# Altium PCB BRG_Chip_Tester.PcbDoc (part 1 of 2)
Units mil, origin at the board's own origin, x right, y up, seen from the top; angles counter-clockwise.
Board outline 4440 x 3080 mil, 4 copper layers (TOP, GND, PWR, BOT), stack 62.731 mil thick; 127 components, 119 nets, 570 pads, 385 vias.
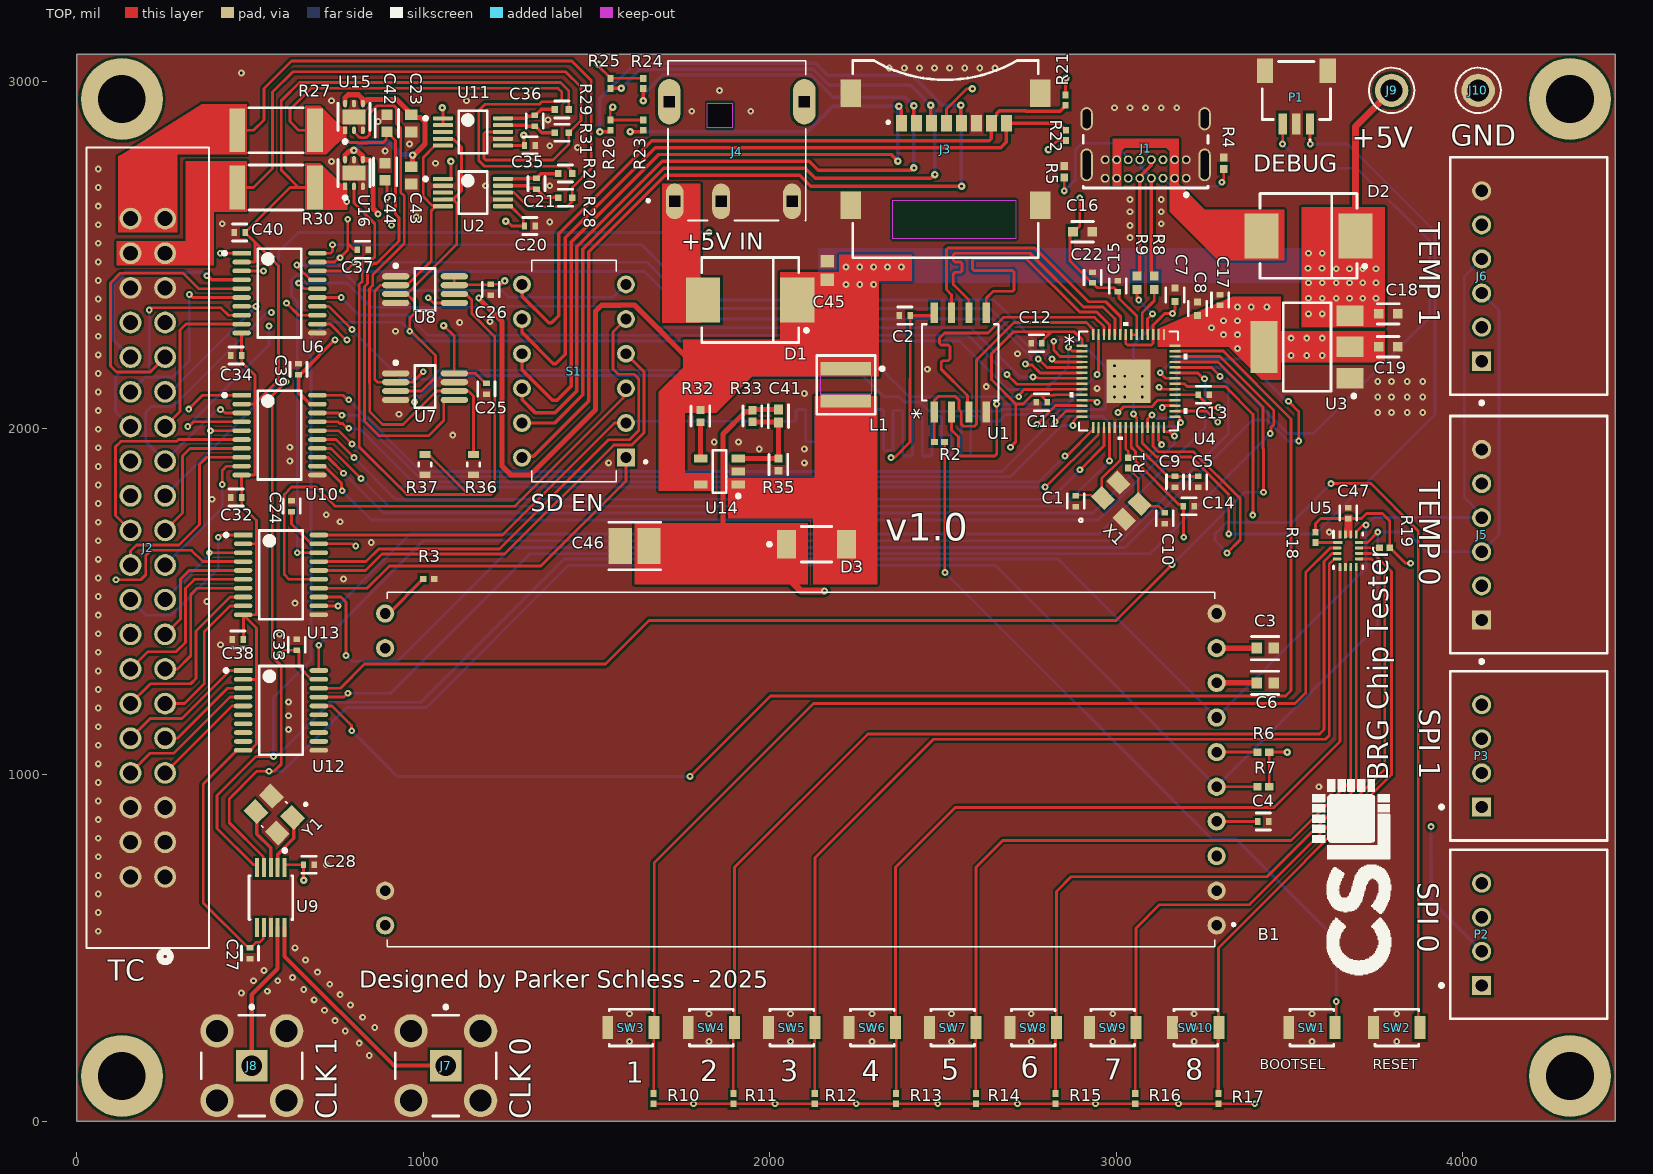
[diagram p0: TOP view]
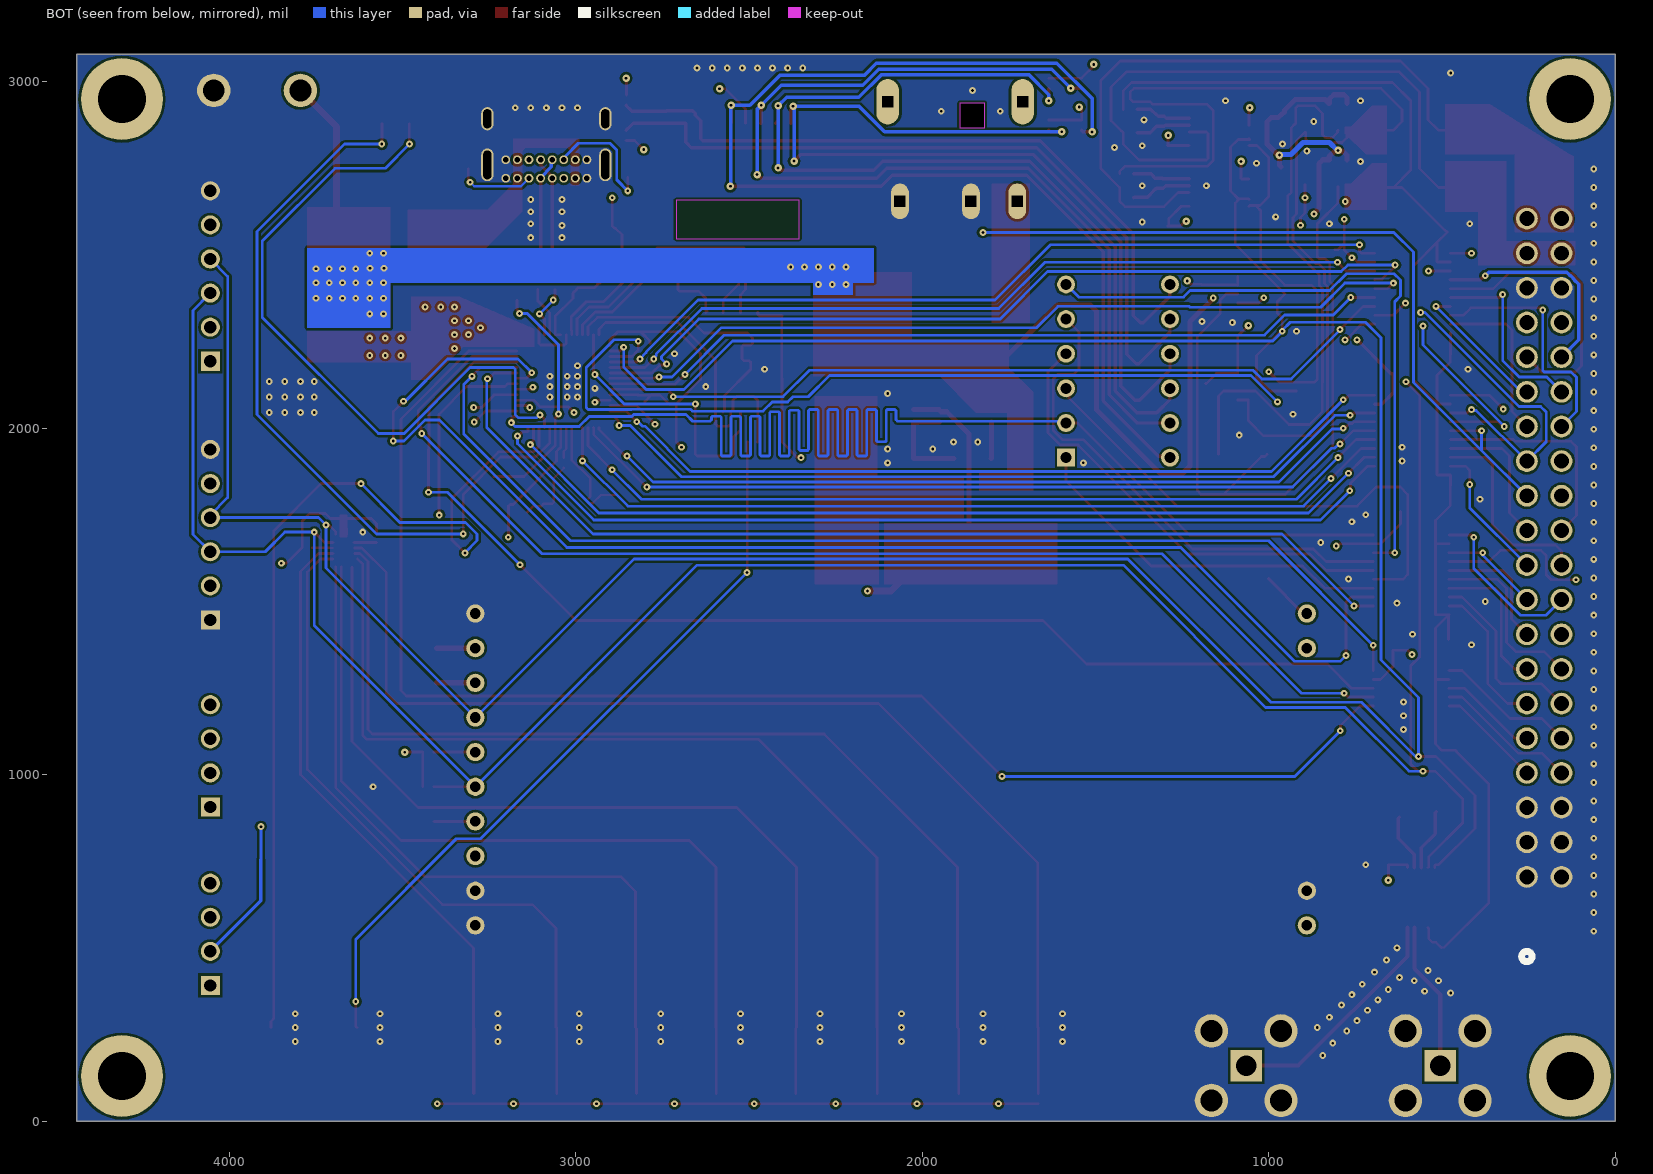
[diagram p1: BOT view, seen from below]
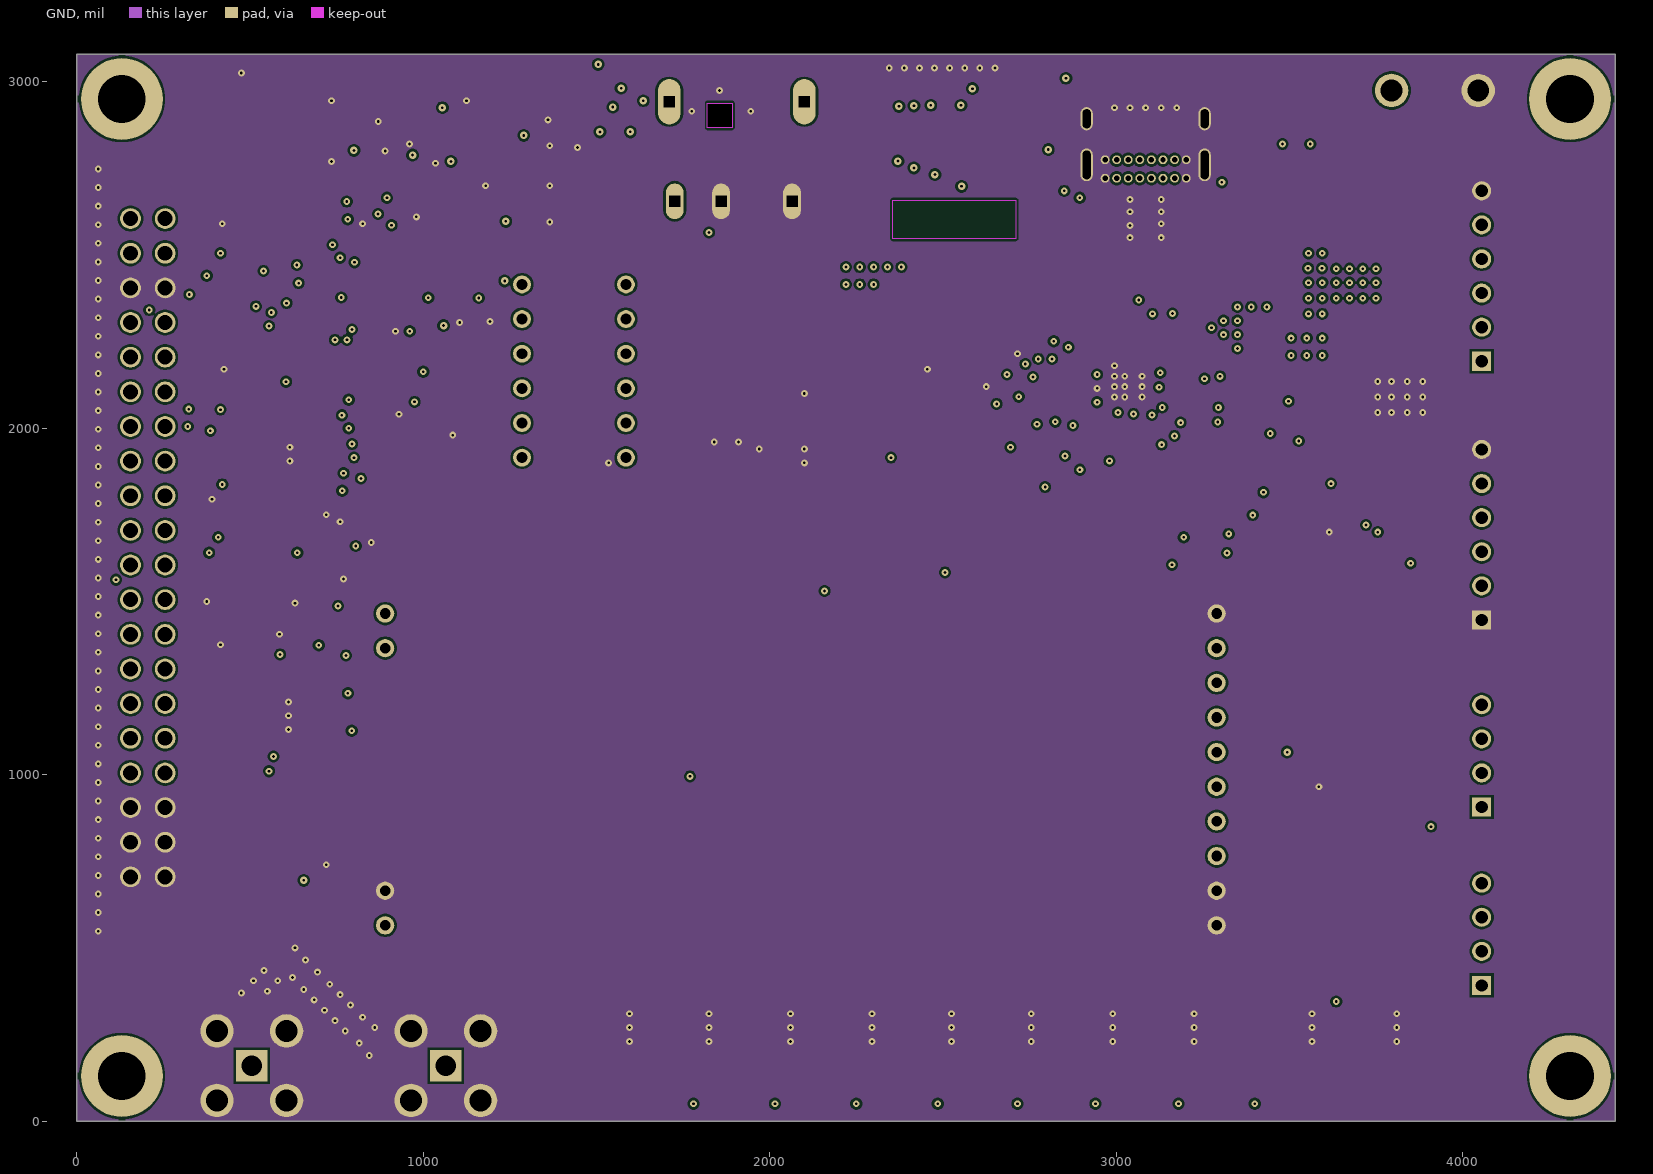
[diagram p2: GND]
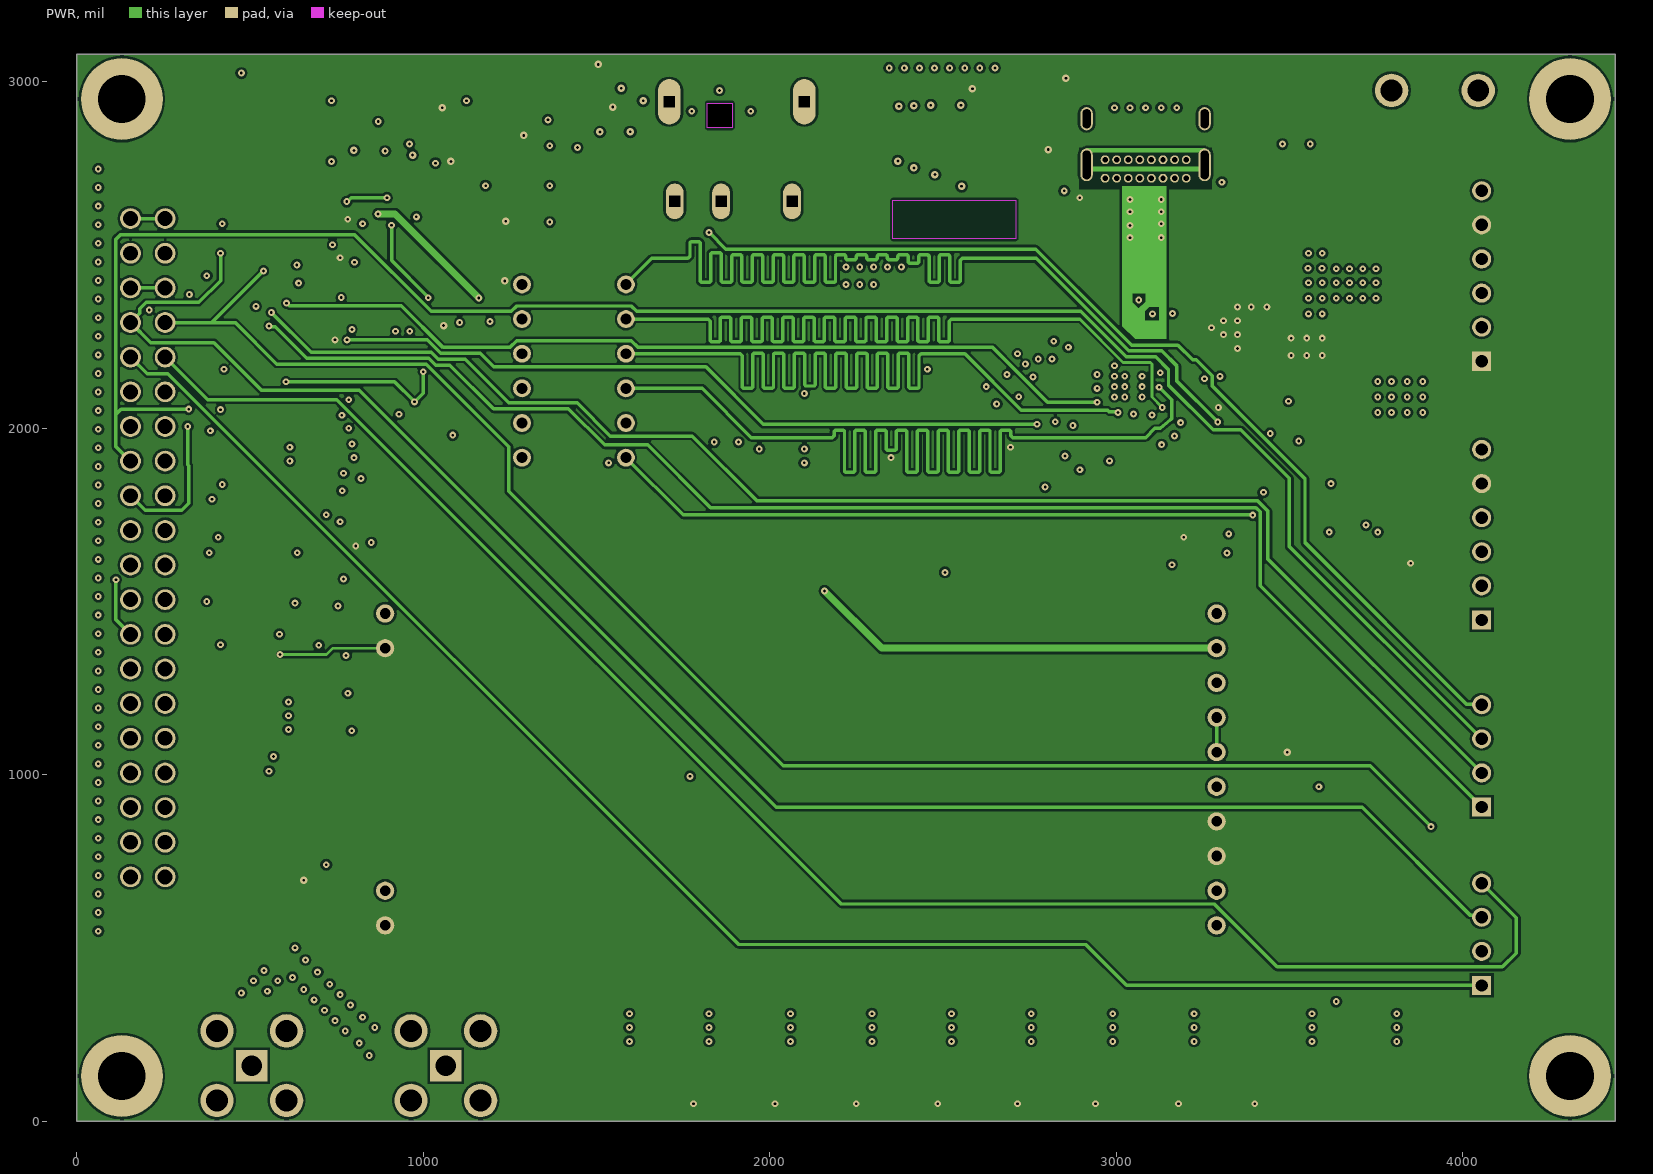
[diagram p3: PWR]
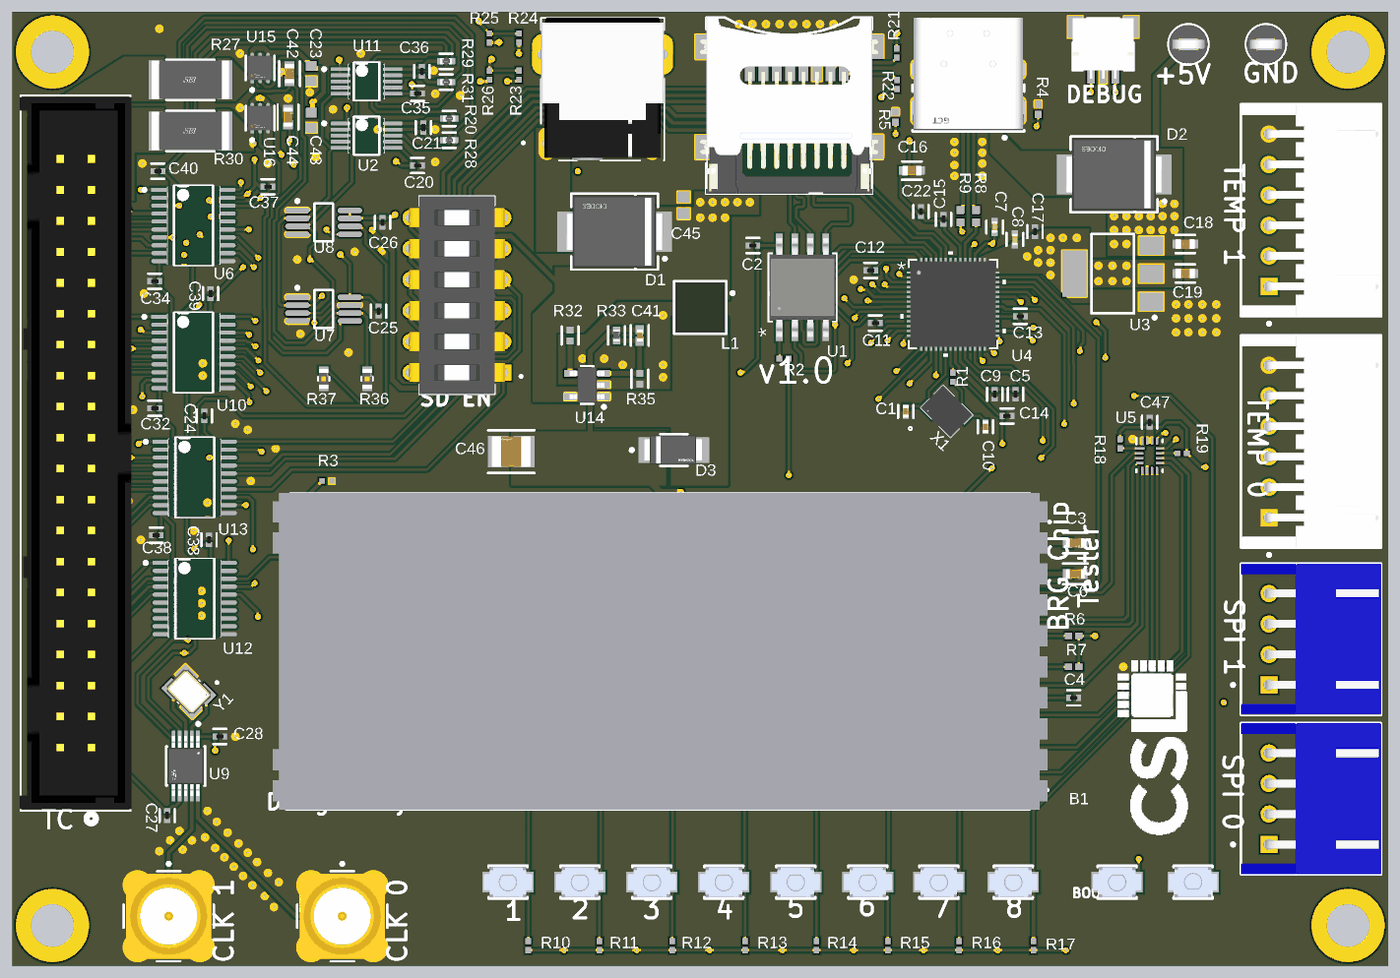
[diagram p5: 3D render of the assembled board from above, using the file's embedded part models]

## Layer stack, top to bottom
Top Solder: solder mask 0.3941, Solder Resist, Dk 3.3
TOP: signal copper 1.378
Dielectric 2: prepreg 4.2, PP-014, Dk 4.2
GND: signal copper 1.378
Dielectric 1: core 48.8189, FR-4, Dk 4
PWR: signal copper 1.378
Dielectric 3: prepreg 4.2, PP-014, Dk 4.2
BOT: signal copper 1.378
Bottom Solder: solder mask 0.3941, Solder Resist, Dk 3.3

## Board outline
0,0 0,3080 4440,3080 4440,0

## Design rules (kind name [scope] priority, off if disabled: settings)
Clearance [All] p1: gap=7 ignorepadtopadclearanceinfootprint=FALSE except(5: SMDPad-SMDPad SMDPad-THPad SMDPad-Via THPad-THPad THPad-Via)
DiffPairsRouting [All] p1: maxlimit=10 minlimit=5 mostfreqgap=10 toplayer_minwidth=5 toplayer_maxwidth=15 toplayer_prefwidth=15 midlayer1_minwidth=5 midlayer1_maxwidth=15 midlayer1_prefwidth=15 midlayer2_minwidth=5 midlayer2_maxwidth=15 midlayer2_prefwidth=15 bottomlayer_minwidth=5 bottomlayer_maxwidth=15 bottomlayer_prefwidth=15 maxuncoupledlength=500
HoleSize [All] p1: absolutevalues=TRUE maxlimit=200 minlimit=1 maxpercent=80.000 minpercent=20.000
PolygonConnect [All] p1: connectstyle=Direct reliefconductorwidth=10 reliefentries=4 polygonreliefangle="90 Angle" airgapwidth=5
RoutingVias [All] p1: holewidth=7.87 width=19.68 viastyle="Through Hole" minholewidth=7.87 minwidth=19.68 maxholewidth=15.75 maxwidth=31.5
ShortCircuit [InPadClass('All Pads') vs InNet('No Net')] p1: allowed=TRUE
SolderMaskExpansion [All] p1: expansion=4 istentingtop=FALSE
SupplyNets "Schematic Supply Nets_4" [InNet('+3V3')] p1: voltage=0.000
SupplyNets "Schematic Supply Nets_9" [InNet('GND')] p2: voltage=0.000
SupplyNets "Schematic Supply Nets_8" [InNet('+VCORE')] p3: voltage=0.000
SupplyNets "Schematic Supply Nets_7" [InNet('+12V')] p4: voltage=0.000
SupplyNets "Schematic Supply Nets_6" [InNet('+VCORE_RAW')] p5: voltage=0.000
SupplyNets "Schematic Supply Nets_3" [InNet('+1V1')] p6: voltage=0.000
SupplyNets "Schematic Supply Nets_2" [InNet('+VIO/CLK')] p7: voltage=0.000
SupplyNets "Schematic Supply Nets_1" [InNet('+5V')] p8: voltage=0.000
SupplyNets "Schematic Supply Nets" [InNet('+VIO/CLK_RAW')] p9: voltage=0.000
Width [All] p1: maxlimit=20 minlimit=5 preferedwidth=10 toplayer_prefwidth=8 bottomlayer_prefwidth=8 minimp=50.000000 maximp=50.000000 favimp=50.000000
27 further rules are at their usual default settings.

## Components (designator, comment, footprint, x,y, rotation, side; value= is the part's Value field where it differs from the comment)
B1 "EA_OLEDM204-GGA" EAOLEDM204GGA 890,1465 r180 top
C1 "GJM1555C1H150FB01D" FP-GJM155-0_05-MFG 2883.27,1789.29 r90 top
C2 "GRM155R71C104KA88D" FP-GRM15-MFG 2390,2325 r0 top
C3 "GRM188R6YA225KA12D" FP-GRM188-0_1-e0_2_0_5-IPC_C 3430,1365 r0 top
C4 "GRM155R71C104KA88D" FP-GRM15-MFG 3425,865 r0 top
C5 "GJM1555C1H150FB01D" FP-GJM155-0_05-MFG 3140,1740 r90 top
C6 "GRM188R6YA225KA12D" FP-GRM188-0_1-e0_2_0_5-IPC_C 3430,1265 r0 top
C7 "CC0402MRX5R6BB105" FP-CC0402-MFG 3170.02,2385 r90 top value="1 uF"
C8 "CC0402MRX5R6BB105" FP-CC0402-MFG 3235,2345 r270 top value="1 uF"
C9 "GRM155R71C104KA88D" FP-GRM15-MFG 3237.1,1845 r90 top
C10 "GRM155R71C104KA88D" FP-GRM15-MFG 3170,1845 r90 top
C11 "GRM155R71C104KA88D" FP-GRM15-MFG 2785,2075 r0 top
C12 "GRM155R71C104KA88D" FP-GRM15-MFG 2770,2245 r0 top
C13 "GRM155R71C104KA88D" FP-GRM15-MFG 3252.62,2096.63 r180 top
C14 "GRM155R71C104KA88D" FP-GRM15-MFG 3210,1774.95 r180 top
C15 "GRM155R71C104KA88D" FP-GRM15-MFG 3004.65,2410 r270 top
C16 "GRM155R71C104KA88D" FP-GRM15-MFG 2932,2435 r270 top
C17 "GRM155R71C104KA88D" FP-GRM15-MFG 3300,2370 r270 top
C18 "C1608X5R1A106K080AC" FP-C1608-080-0_1-MFG 3785,2330 r0 top
C19 "C1608X5R1A106K080AC" FP-C1608-080-0_1-MFG 3785,2235 r0 top
C20 "GRM155R71C104KA88D" FP-GRM15-MFG 1307.92,2583.49 r0 top
C21 "GRM155R71C104KA88D" FP-GRM15-MFG 1326.84,2705.87 r270 top
C22 "C1608X5R1A106K080AC" FP-C1608-080-0_1-MFG 2902.93,2567.19 r180 top
C23 "C0603C105K3RACTU" CAPC1608X87X35LL15T15 965,2880 r90 top
C24 "GRM155R71C104KA88D" FP-GRM15-MFG 620,1775 r90 top
C25 "GRM155R71C104KA88D" FP-GRM15-MFG 1182.13,2113.61 r270 top
C26 "GRM155R71C104KA88D" FP-GRM15-MFG 1195,2400 r270 top
C27 "GRM155R71C104KA88D" FP-GRM15-MFG 500,485 r270 top
C28 "GRM155R71C104KA88D" FP-GRM15-MFG 670,740 r0 top
C32 "GRM155R71C104KA88D" FP-GRM15-MFG 460,1800 r180 top
C33 "GRM155R71C104KA88D" FP-GRM15-MFG 635,1375 r90 top
C34 "GRM155R71C104KA88D" FP-GRM15-MFG 460,2210 r180 top
C35 "GRM155R71C104KA88D" FP-GRM15-MFG 1307.92,2816.41 r0 top
C36 "GRM155R71C104KA88D" FP-GRM15-MFG 1321.84,2887.33 r270 top
C37 "GRM155R71C104KA88D" FP-GRM15-MFG 825,2515 r0 top
C38 "GRM155R71C104KA88D" FP-GRM15-MFG 465,1390 r180 top
C39 "GRM155R71C104KA88D" FP-GRM15-MFG 640,2170 r90 top
C40 "GRM155R71C104KA88D" FP-GRM15-MFG 470,2565 r180 top
C41 "GRM1555C1H561JA01J" FP-GRM155-0_05-IPC_A 2025,2035 r90 top
C42 "GRM188R6YA225KA12D" FP-GRM188-0_1-e0_2_0_5-IPC_C 895,2880 r90 top
C43 "C0603C105K3RACTU" CAPC1608X87X35LL15T15 965,2730 r90 top
C44 "GRM188R6YA225KA12D" FP-GRM188-0_1-e0_2_0_5-IPC_C 890,2740 r90 top
C45 "C0603C475K8PACTU" CAPC1608X87X35NL15T15 2166.48,2455 r270 top
C46 "GRM32ER61C476KE15L" FP-GRM32E-0_3-0_2-IPC_C 1610,1660 r180 top
C47 "GRM155R71C104KA88D" FP-GRM15-MFG 3670,1755 r90 top
D1 "B540C-13-F" FP-SMC-MFG 1943.55,2370 r180 top value=300pF
D2 "B540C-13-F" FP-SMC-MFG 3555,2555 r180 top value=300pF
D3 "CMS06(TE12L,Q,M)" FP-M-FLAT-MFG 2135,1665 r180 top
J1 "USB4085-GF-A" FP-USB4085-GF-A-MFG 3085,2880 r180 top
J2 "3020-40-0100-00" CONN_3020-40-0100-00_CNC 255,705 r90 top
J3 "MEM2067-02-180-00-A_REVB" GCT_MEM2067-02-180-00-A_REVB 2507.13,2776.65 r180 top
J4 "54-00127" TENSILITY_54-00127 1905,2942.21 r180 top
J5 "S6B-XH-A (LF)(SN)" FP-S6B-XH-A_LF_SN-MFG 4190.83,1692.64 r270 top
J6 "S6B-XH-A (LF)(SN)" FP-S6B-XH-A_LF_SN-MFG 4190.83,2439.21 r270 top
J7 "RF2-04A-T-00-50-G" FP-RF2-04A-T-00-50-G-MFG 1065,160 r270 top
J8 "RF2-04A-T-00-50-G" FP-RF2-04A-T-00-50-G-MFG 505,160 r270 top
J9 "5006" FP-5006-MFG 3795,2975 r0 top
J10 "5006" FP-5006-MFG 4045,2975 r0 top
L1 "784383560056" WE-MAIA_4020 2220,2125 r270 top
P1 "SM03B-SRSS-TB(LF)(SN)" JST-SM03B-SRSS-TB_V 3520,2975 r180 top
P2 "S4B-XH-A (LF)(SN)" JST-S4B-XH-A(LF)(SN)_V 4055,539.21 r90 top
P3 "S4B-XH-A (LF)(SN)" JST-S4B-XH-A(LF)(SN)_V 4055,1054.21 r90 top
R1 "RC0402FR-131KL" RESC1005X40X25LL05T10 3035,1900 r90 top
R2 "RC0402FR-131KL" RESC1005X40X25LL05T10 2490,1960 r180 top
R3 "CRCW0402910KFKED" RESC1005X40X25LL05T05 1015.75,1565 r180 top
R4 "RC0402FR-075K1L" RESC1005X40X25NL05T10 3310,2765 r270 top
R5 "RC0402FR-075K1L" RESC1005X40X25NL05T10 2850,2740 r270 top
R6 "RC0402FR-072K2L" RESC1005X40X25NL05T10 3425,1065 r0 top
R7 "RC0402FR-072K2L" RESC1005X40X25NL05T10 3425,965 r0 top
R8 "ERJ-2RKF27R4X" RESC1005X40X25ML05T05 3110,2420 r90 top
R9 "ERJ-2RKF27R4X" RESC1005X40X25ML05T05 3060,2420 r90 top
R10 "RC0402FR-0710KL" RESC1005X40X25LL05T10 1665,65 r270 top
R11 "RC0402FR-0710KL" RESC1005X40X25LL05T10 1895,65 r270 top
R12 "RC0402FR-0710KL" RESC1005X40X25LL05T10 2130,65 r270 top
R13 "RC0402FR-0710KL" RESC1005X40X25LL05T10 2365,65 r270 top
R14 "RC0402FR-0710KL" RESC1005X40X25LL05T10 2595,65 r270 top
R15 "RC0402FR-0710KL" RESC1005X40X25LL05T10 2825,65 r270 top
R16 "RC0402FR-0710KL" RESC1005X40X25LL05T10 3055,65 r270 top
R17 "RC0402FR-0710KL" RESC1005X40X25LL05T10 3295,65 r270 top
R18 "RC0402FR-0710KL" RESC1005X40X25LL05T10 3575,1685 r270 top
R19 "RC0402FR-0710KL" RESC1005X40X25LL05T10 3775,1655 r0 top
R20 "ERJ-2RKF10R0X" FP-ERJ2RK-MFG 1410,2735 r180 top value=10Ω
R21 "RC0402FR-0710KL" RESC1005X40X25LL05T10 2854,2947 r90 top
R22 "RC0402FR-0710KL" RESC1005X40X25LL05T10 2855,2845 r270 top
R23 "RC0402FR-0710KL" RESC1005X40X25LL05T10 1635,2875 r90 top
R24 "RC0402FR-0710KL" RESC1005X40X25LL05T10 1635,2995 r90 top
R25 "RC0402FR-0710KL" RESC1005X40X25LL05T10 1540,2995 r90 top
R26 "RC0402FR-0710KL" RESC1005X40X25LL05T10 1540,2875 r90 top
R27 "CSRN2512FT40L0" FP-CSRN2512-IPC_C 575,2860 r0 top
R28 "ERJ-2RKF10R0X" FP-ERJ2RK-MFG 1410,2665 r180 top value=10Ω
R29 "ERJ-2RKF10R0X" FP-ERJ2RK-MFG 1400,2920 r180 top value=10Ω
R30 "CSRN2512FT40L0" FP-CSRN2512-IPC_C 575,2695 r0 top
R31 "ERJ-2RKF10R0X" FP-ERJ2RK-MFG 1400,2852.9 r180 top value=10Ω
R32 "CRCW040210K0FKED" FP-CRCW0402-e3-IPC_B 1800,2035 r90 top
R33 "AC0402FR-0786K6L" FP-AC0402-IPC_B 1950,2035 r90 top
R35 "CRCW040210K0FKED" FP-CRCW0402-e3-IPC_B 2025,1895 r90 top
R36 "KTR03EZPF3001" FP-KTR03-MFG 1145,1895 r90 top
R37 "KTR03EZPF3001" FP-KTR03-MFG 1005,1895 r90 top
S1 "DS04-254-1L-06BK" SW_DS04-254-1L-06BK 1435,2165 r180 top
SW1 "B3U-1000P" FP-B3U-1000P-MFG 3565,270 r0 top
SW2 "B3U-1000P" FP-B3U-1000P-MFG 3810,270 r180 top
SW3 "B3U-1000P" FP-B3U-1000P-MFG 1599.44,270 r0 top
SW4 "B3U-1000P" FP-B3U-1000P-MFG 1831.67,270 r0 top
SW5 "B3U-1000P" FP-B3U-1000P-MFG 2063.89,270 r0 top
SW6 "B3U-1000P" FP-B3U-1000P-MFG 2296.11,270 r0 top
SW7 "B3U-1000P" FP-B3U-1000P-MFG 2528.33,270 r0 top
SW8 "B3U-1000P" FP-B3U-1000P-MFG 2760.56,270 r0 top
SW9 "B3U-1000P" FP-B3U-1000P-MFG 2990,270 r0 top
SW10 "B3U-1000P" FP-B3U-1000P-MFG 3230,270 r0 top
U1 "W25Q128JVSIQ" SOIC_128JVSIQ_WIN 2550,2190 r90 top
U2 "INA220AIDGST" FP-DGS0010A-MFG 1143.38,2680 r0 top
U3 "NCP1117ST33T3G" ONSC-SOT-223-4-318H-01_A_V 3550.98,2234.45 r180 top
U4 "SC091413" QFN56_7X7_RPI 3035.63,2136 r0 top
U5 "TCA6408ARSVR" RSV0016A_V 3669.53,1646.38 r0 top
U6 "TXS0108EPWR" FP-PW0020A-IPC_C 585,2390 r0 top
U7 "MCP4562-103E/MS" MSOP-MS8_M 1005,2120 r0 top
U8 "MCP4562-103E/MS" MSOP-MS8_M 1005,2400 r0 top
U9 "SI5351A-B-GTR" FP-SI5351A-B-GTR-MFG 560,645 r270 top
U10 "TXS0108EPWR" FP-PW0020A-IPC_C 585,1980 r0 top
U11 "INA220AIDGST" FP-DGS0010A-MFG 1143.38,2855 r0 top
U12 "TXS0108EPWR" FP-PW0020A-IPC_C 589.27,1185.43 r0 top
U13 "TXS0108EPWR" FP-PW0020A-IPC_C 589.27,1576.61 r0 top
U14 "LM2735XMF/NOPB" DBV0005A_N 1855,1875 r180 top
U15 "TLV76701DRVR" FP-DRV0006A-IPC_C 800,2898.51 r90 top
U16 "TLV76701DRVR" FP-DRV0006A-IPC_C 800,2736.49 r90 top
X1 "ABM8-272-T3" ABM8-272-T3_ABR 3015,1790 r45 top
Y1 "FA-238_25.0000MB-K" XTAL_FA-238_25.0000MB-K 570,885 r225 top
